# Altium PCB PCB.PcbDoc
Units mm, origin at the board's own origin, x right, y up, seen from the top; angles counter-clockwise.
Board outline 34 x 16 mm, 4 copper layers (Top Layer, Layer 1, Layer 2, Bottom Layer), stack 1.586 mm thick; 33 components, 19 nets, 140 pads, 137 vias.
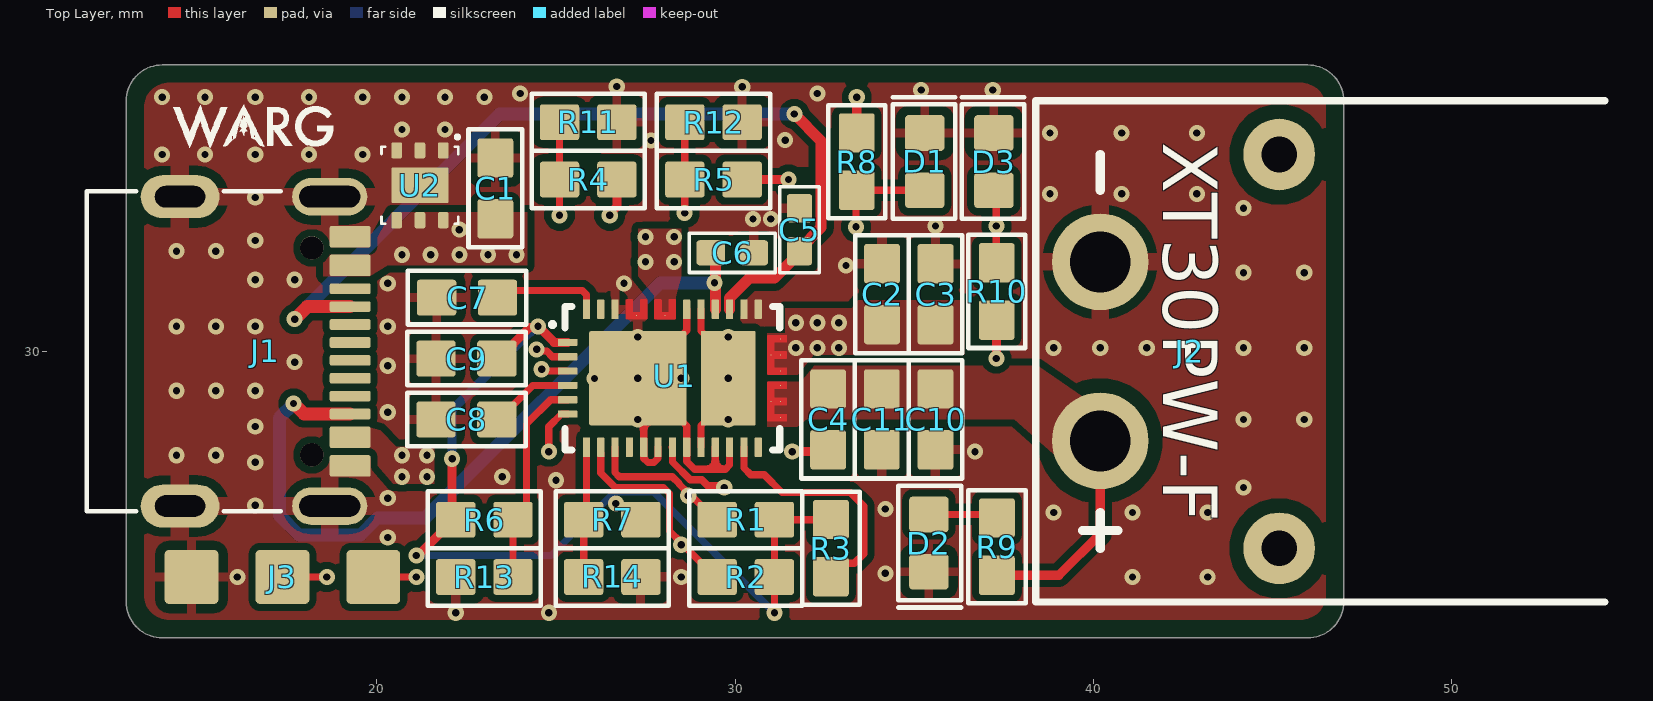
[diagram p0: Top Layer view]
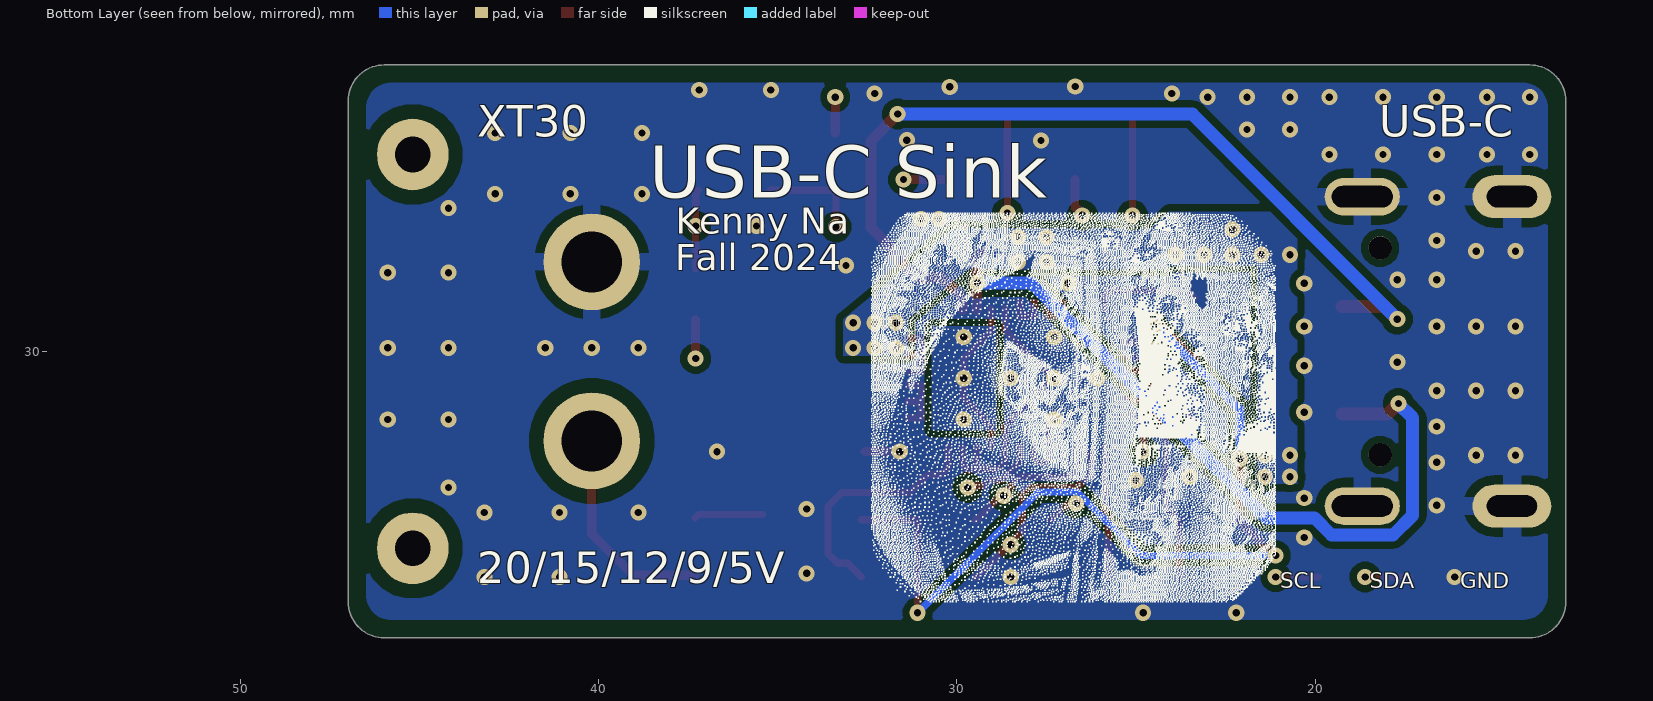
[diagram p1: Bottom Layer view, seen from below]
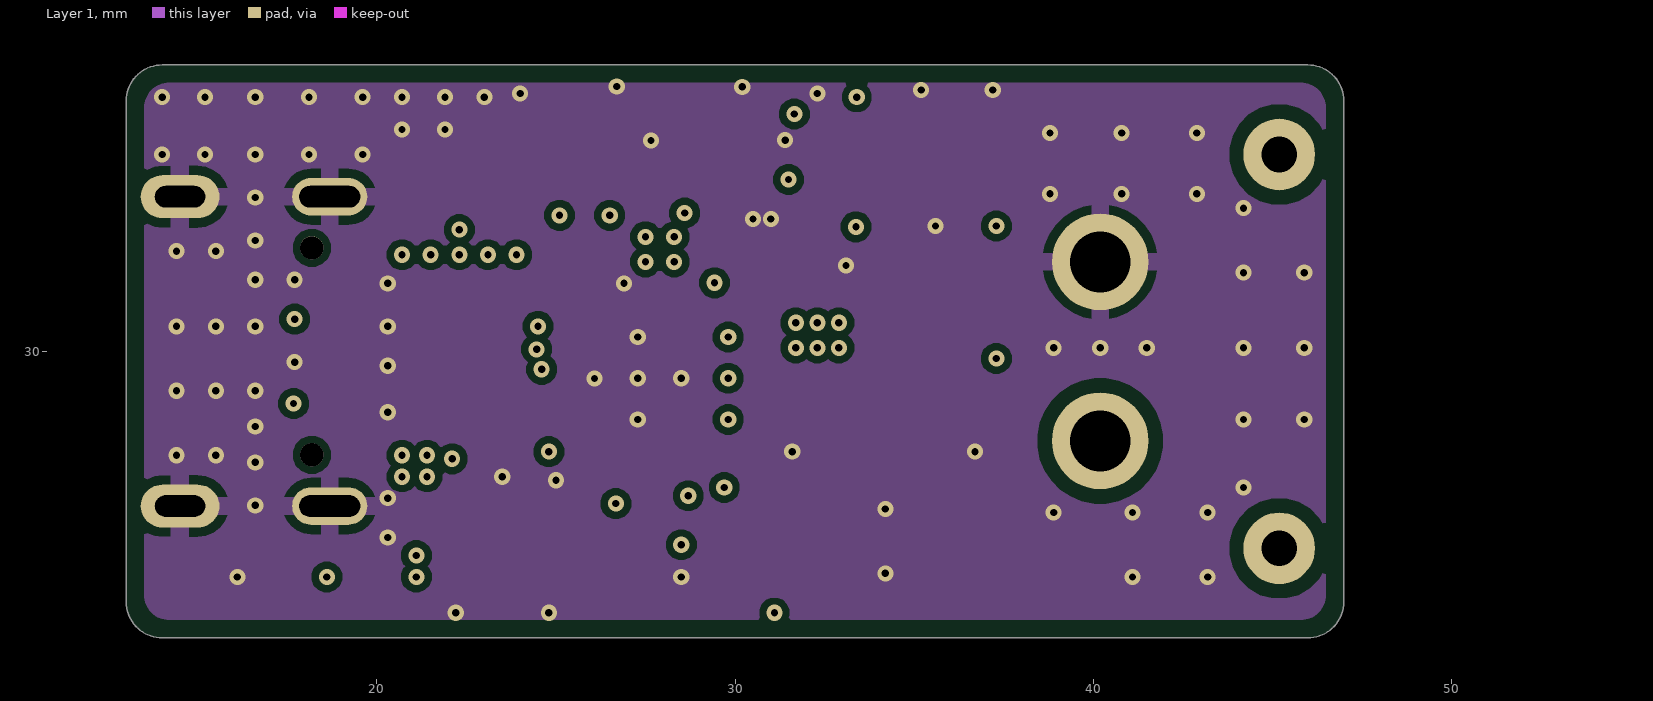
[diagram p2: Layer 1]
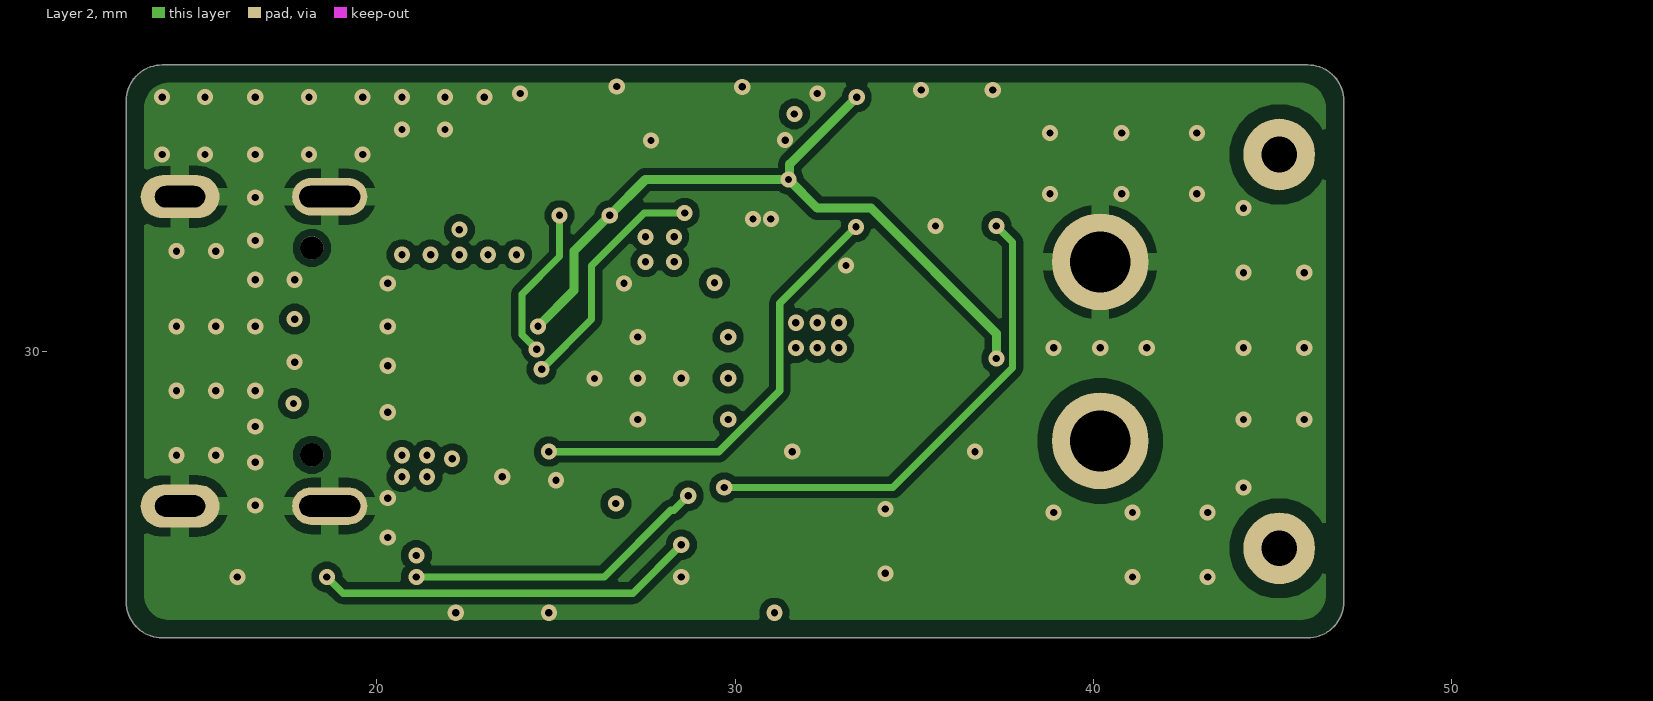
[diagram p3: Layer 2]
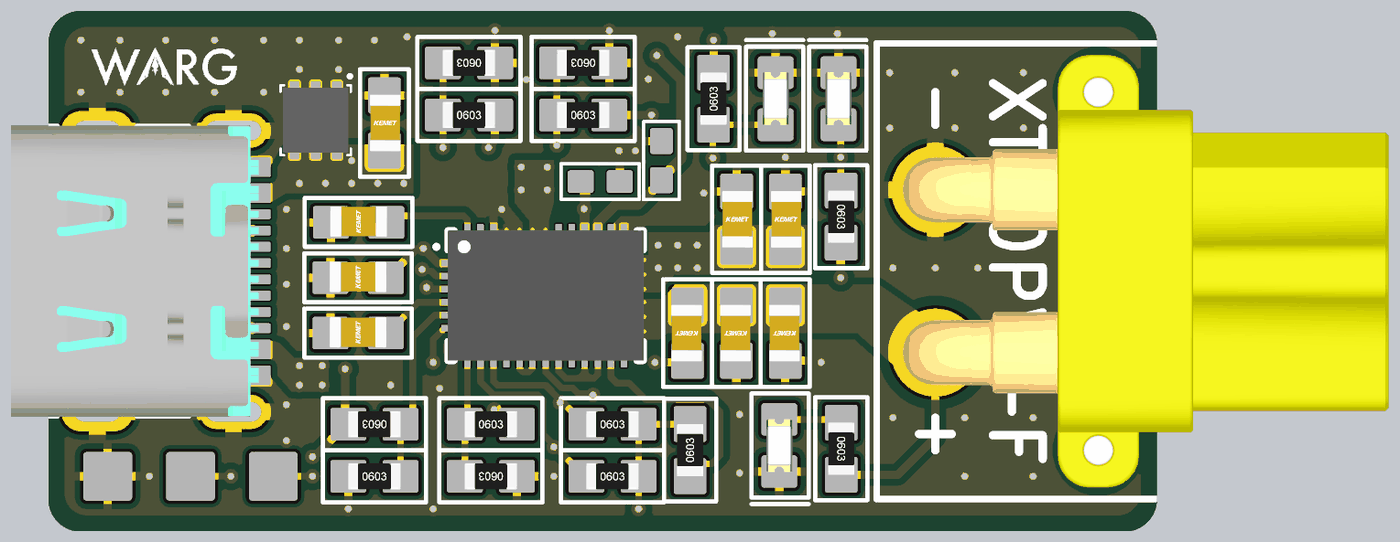
[diagram p4: 3D render of the assembled board from above, using the file's embedded part models]

## Layer stack, top to bottom
Top Solder: solder mask 0.01, Solder Resist, Dk 3.5
Top Layer: signal copper 0.035
Dielectric 2: prepreg 0.2104, PP-023, Dk 4.4
Layer 1: signal copper 0.0152
Dielectric 1: dielectric 1.065, FR-4, Dk 4.6
Layer 2: signal copper 0.0152
Dielectric 3: prepreg 0.2104, PP-023, Dk 4.4
Bottom Layer: signal copper 0.035
Bottom Solder: solder mask 0.01, Solder Resist, Dk 3.5

## Board outline
13,23 13,37 cw(c14,37) 14,38 46,38 cw(c46,37) 47,37 47,23 cw(c46,23) 46,22 14,22 cw(c14,23)

## Design rules (kind name [scope] priority, off if disabled: settings)
BoardOutlineClearance [All] p1: gap=0.2 ignorepadtopadclearanceinfootprint=FALSE except(0.4: Arc-SplitBarrior Arc-SplitContinuation Track-SplitBarrior Track-SplitContinuation SMDPad-SplitBarrior SMDPad-SplitContinuation THPad-SplitBarrior THPad-SplitContinuation Via-SplitBarrior Via-SplitContinuation Fill-SplitBarrior Fill-SplitContinuation Poly-SplitBarrior Poly-SplitContinuation Region-SplitBarrior Region-SplitContinuation Text-SplitBarrior Text-SplitContinuation)
Clearance Clearance_HV [InNetClass('HV') vs Not(InNetClass('HV'))] p1: gap=0.6 ignorepadtopadclearanceinfootprint=FALSE
Clearance [All] p2: gap=0.2 ignorepadtopadclearanceinfootprint=TRUE except(0.089: Arc-Arc Arc-Track Track-Track; 0.1: Arc-SMDPad Arc-THPad Track-SMDPad Track-THPad SMDPad-THPad THPad-THPad; 0.125: Arc-Via Track-Via SMDPad-Via THPad-Via Via-Via; 0.127: SMDPad-SMDPad; 0.15: Arc-Text Track-Text SMDPad-Text THPad-Text Via-Text Fill-Text Poly-Text Region-Text Text-Text; 0.4: THPad-Fill THPad-Poly THPad-Region)
ComponentClearance [All] p1: gap=0.254 collisioncheckmode=3 verticalgap=0.254 showdistances=FALSE donotcheckwithout3dbody=TRUE
DiffPairsRouting DiffPairsRouting_1 [InDifferentialPair('CAN')] p1: maxlimit=0.254 minlimit=0.237 mostfreqgap=0.254 toplayer_maxgap=0.237 toplayer_prefgap=0.237 toplayer_minwidth=0.089 toplayer_maxwidth=0.089 toplayer_prefwidth=0.089 midlayer1_minwidth=0.381 midlayer1_maxwidth=0.381 midlayer1_prefwidth=0.381 midlayer2_minwidth=0.381 midlayer2_maxwidth=0.381 midlayer2_prefwidth=0.381 bottomlayer_maxgap=0.237 bottomlayer_prefgap=0.237 bottomlayer_minwidth=0.089 bottomlayer_maxwidth=0.089 bottomlayer_prefwidth=0.089 impedanceprofiledriven=TRUE impedanceprofileid={EF18872A-B2F7-4500-86CD-FCDFF06575AF} maxuncoupledlength=12.7
DiffPairsRouting [InDifferentialPair('USB')] p2: maxlimit=0.254 minlimit=0.113 mostfreqgap=0.254 toplayer_maxgap=0.113 toplayer_prefgap=0.113 toplayer_minwidth=0.13 toplayer_maxwidth=0.13 toplayer_prefwidth=0.13 midlayer1_minwidth=0.381 midlayer1_maxwidth=0.381 midlayer1_prefwidth=0.381 midlayer2_minwidth=0.381 midlayer2_maxwidth=0.381 midlayer2_prefwidth=0.381 bottomlayer_maxgap=0.113 bottomlayer_prefgap=0.113 bottomlayer_minwidth=0.13 bottomlayer_maxwidth=0.13 bottomlayer_prefwidth=0.13 impedanceprofiledriven=TRUE impedanceprofileid={4109FAFE-7FD6-4448-9D3F-10DBE45E2FE1} maxuncoupledlength=12.7
HoleSize [All] p1: absolutevalues=TRUE maxlimit=6.3 minlimit=0.2 maxpercent=80.000 minpercent=20.000
MinimumAnnularRing [All] p1: minimumring=0.076
MinimumSolderMaskSliver [All] p1: minsoldermaskwidth=0.05
PasteMaskExpansion [All] p1: expansion=0 percent=-40.000000
PlaneConnect PlaneConnect_1 [InNet('GND')] p1: planeconnectstyle=Relief reliefexpansion=0.508 reliefentries=4 reliefconductorwidth=0.254 reliefairgap=0.254
PlaneConnect [All] p2: planeconnectstyle=Direct reliefexpansion=0.508 reliefentries=4 reliefconductorwidth=0.254 reliefairgap=0.254
PolygonConnect [HasFootprint('CONN PLUG 60POS SMD GOLD-CONTROLLER BOARD') or InNet('GND')] p1: thpad.connectstyle=Relief thpad.reliefconductorwidth=0.254 thpad.reliefentries=4 thpad.polygonreliefangle="90 Angle" thpad.airgapwidth=0.254 smdpad.connectstyle=Relief smdpad.reliefconductorwidth=0.254 smdpad.reliefentries=4 smdpad.polygonreliefangle="90 Angle" smdpad.airgapwidth=0.254 via.connectstyle=Direct via.reliefconductorwidth=0.254 via.reliefentries=4 via.polygonreliefangle="90 Angle" via.airgapwidth=0.254
PolygonConnect PolygonConnect_1 [All] p2: connectstyle=Direct reliefconductorwidth=0.508 reliefentries=4 polygonreliefangle="90 Angle" airgapwidth=0.254
RoutingCorners [All] p1: cornerstyle=Round minsetback=2.54 maxsetback=2.54
RoutingVias [All] p1: holewidth=0.3 width=0.5 viastyle="Through Hole" minholewidth=0.2 minwidth=0.41 maxholewidth=1 maxwidth=2
SilkToSilkClearance [All] p1: silktosilkclearance=0.1
SilkToSolderMaskClearance [IsPad] p1: minsilkscreentomaskgap=0.1 clearancetoexposedcopper=TRUE
SolderMaskExpansion ViaSolderMaskExpansion [IsVia] p1: expansion=0.102 istentingtop=TRUE
SolderMaskExpansion [All] p2: expansion=0.102 istentingtop=FALSE
SupplyNets "Schematic Supply Nets_8" [InNet('VOUT')] p1: voltage=0.000
SupplyNets "Schematic Supply Nets_7" [InNet('VIN')] p2: voltage=0.000
SupplyNets "Schematic Supply Nets_2" [InNet('GND')] p3: voltage=0.000
SupplyNets "Schematic Supply Nets_1" [InNet('3V3')] p4: voltage=0.000
Width [All] p1: maxlimit=2.54 minlimit=0.089 preferedwidth=0.127
21 further rules are at their usual default settings.

## Components (designator, comment, footprint, x,y, rotation, side; value= is the part's Value field where it differs from the comment)
C1 "GCM188R71H104KA57D" .CAP_0603-Footprint-1 23.307,34.553 r270 top
C2 "GCM188R71H103KA37D" .CAP_0603-Footprint-1 34.106,31.599 r270 top
C3 "GCM188R71H103KA37D" .CAP_0603-Footprint-1 35.601,31.596 r270 top
C4 "GCM188R71H104KA57D" .CAP_0603-Footprint-1 32.6,28.1 r90 top value=0.1uF
C5 "GRM1555C1H331JA01D" .CAP0402-Footprint-1 31.8,33.4 r270 top
C6 "GRM1555C1H331JA01D" .CAP0402-Footprint-1 29.924,32.754 r180 top
C7 "GRM188R61E106KA73J" .CAP_0603-Footprint-1 22.515,31.501 r0 top value=10uF
C8 "GRM188Z71A475KE15J" .CAP_0603-Footprint-1 22.5,28.1 r0 top value=4.7uF
C9 "GRM188R61E106KA73J" .CAP_0603-Footprint-1 22.5,29.8 r0 top value=10uF
C10 "GRM188R6YA106MA73D" .CAP_0603-Footprint-1 35.6,28.1 r90 top
C11 "GRM188R6YA106MA73D" .CAP_0603-Footprint-1 34.1,28.1 r90 top
D1 "LTST-C191KRKT" .LED_0603-Footprint-1 35.3,35.3 r90 top
D2 "LTST-C191KGKT" .LED_0603-Footprint-1 35.415,24.647 r270 top
D3 "LTST-C194TBKT" .LED_0603-Footprint-1 37.23,35.3 r90 top
J1 "12402012E212A" 12402012E212A-Footprint-1 14.5,30 r270 top
J2 "XT30PW-F" XT30PW-F-Footprint-1 40.2,30 r270 top
J3 "SOLDERPAD_3PIN" SOLDERPAD_3PIN-Footprint-1 17.36,23.7 r270 top
R1 "RC0603FR-074K7L" .RES_0603-Footprint-1 30.3,25.3 r0 top
R2 "RC0603FR-074K7L" .RES_0603-Footprint-1 30.3,23.7 r0 top
R3 "RC0603FR-0710KL" .RES_0603-Footprint-1 32.678,24.506 r90 top value=10k
R4 ".RES_0603" .RES_0603-Footprint-1 25.9,34.8 r0 top value=?
R5 ".RES_0603" .RES_0603-Footprint-1 29.4,34.8 r0 top value=?
R6 ".RES_0603" .RES_0603-Footprint-1 23,25.3 r180 top value=?
R7 ".RES_0603" .RES_0603-Footprint-1 26.572,25.3 r0 top value=?
R8 "RC0603FR-071K5L" .RES_0603-Footprint-1 33.4,35.3 r90 top
R9 "RC0603FR-074K7L" .RES_0603-Footprint-1 37.315,24.547 r270 top
R10 "RC0603FR-071K5L" .RES_0603-Footprint-1 37.309,31.674 r270 top
R11 ".RES_0603" .RES_0603-Footprint-1 25.9,36.4 r180 top value=?
R12 ".RES_0603" .RES_0603-Footprint-1 29.4,36.4 r180 top value=?
R13 ".RES_0603" .RES_0603-Footprint-1 23,23.7 r0 top value=?
R14 ".RES_0603" .RES_0603-Footprint-1 26.572,23.7 r180 top value=?
U1 "TPS25730DREFR" TPS25730DREFR-Footprint-1 28.25,29.25 r0 top
U2 "TVS2200DRVR" TVSxxxx-DRV0006A 21.199,34.639 r270 top

## Footprints (in the part's own frame and the unit in brackets; to place one, negate y for a bottom-side part, rotate by r counter-clockwise, add the part's x,y. Pads: shape width x height; smd on the part's side, far side on the other; paste and mask are expansions set on the pad)
12402012E212A-Footprint-1 [mm]
  oval 1.05x2.1 hole 0.6 slot 1.7 at 90 deg: 1(-4.32,4.18) 2(4.32,4.18)
  oval 1.2x2.2 hole 0.6 slot 1.4 at 90 deg: 3(-4.32,0) 4(4.32,0)
  rrect16% 0.6x1.14 smd mask+0.05: A1-B12(-3.2,4.75) A4-B9(-2.4,4.75) B1-A12(3.2,4.75) B4-A9(2.4,4.75)
  rrect33% 0.3x1.14 smd mask+0.05: A5(-1.25,4.75) A6(-0.25,4.75) A7(0.25,4.75) A8(1.25,4.75) B5(1.75,4.75) B6(0.75,4.75) B7(-0.75,4.75) B8(-1.75,4.75)
  round 0.65 hole 0.65 unplated mask+0: ""(-2.89,3.68) ""(2.89,3.68)
  silkscreen extent -4.47,-2.6 4.47,2.81, body extent -4.47,-2.65 4.47,4.95, height 3.23
.CAP0402-Footprint-1 [mm]
  rrect25% 0.8x0.7 smd mask+0.05: 1(-0.6,0) 2(0.6,0)
  silkscreen extent -1.2,-0.55 1.2,0.55, body extent -0.5,-0.26 0.5,0.26, height 0.57
.CAP_0603-Footprint-1 [mm]
  rrect15% 1.1x1 smd: 1(-0.85,0) 2(0.85,0)
  silkscreen extent -1.65,-0.75 1.65,0.75, body extent -0.87,-0.45 0.87,0.5, height 0.87
.LED_0603-Footprint-1 [mm]
  rrect20% 1x1.1 smd: 1(-0.8,0) 2(0.8,0)
  silkscreen extent -1.6,-0.85 1.8,0.9, body extent -0.81,-0.4 0.81,0.4, height 0.6
.RES_0603-Footprint-1 [mm]
  rrect15% 1.1x1 smd: 1(-0.8,0) 2(0.8,0)
  silkscreen extent -1.58,-0.8 1.58,0.8, body extent -0.8,-0.4 0.8,0.4, height 0.46
SOLDERPAD_3PIN-Footprint-1 [mm]
  rrect15% 1.5x1.5 smd: 1(0,2.54) 2(0,0) 3(0,-2.54)
TPS25730DREFR-Footprint-1 [mm]
  rrect25% 0.55x0.2 smd mask+0.05: 1(-2.925,1) 2(-2.925,0.6) 3(-2.925,0.2) 4(-2.925,-0.2) 5(-2.925,-0.6) 6(-2.925,-1)
  rrect25% 0.2x0.55 smd mask+0.05: 7(-2.4,-1.925) 8(-2,-1.925) 9(-1.6,-1.925) 10(-1.2,-1.925) 11(-0.8,-1.925) 12(-0.4,-1.925) 13(0,-1.925) 14(0.4,-1.925) 15(0.8,-1.925) 16(1.2,-1.925) 17(1.6,-1.925) 18(2,-1.925) 19(2.4,-1.925) 26(2.4,1.925) 27(2,1.925) 28(1.6,1.925) 29(1.2,1.925) 30(0.8,1.925) 31(0.4,1.925) 36(-1.6,1.925) 37(-2,1.925) 38(-2.4,1.925)
  round 0.025 smd mask+0.05: 20(3.025,-1.1) 21(3.025,-0.65) 22(3.025,-0.2) 23(3.025,0.2) 24(3.025,0.65) 25(3.025,1.1) 32(-0.001,2.025) 33(-0.401,2.025) 34(-0.801,2.025) 35(-1.201,2.025) ""(-1.001,1.75) ""(-0.201,1.75) ""(2.75,-0.65) ""(2.75,0.65)
  rrect5% 2.72x2.65 smd paste-2539.97 mask+0.05: 39(-0.965,0)
  rrect5% 1.53x2.65 smd paste-2539.97 mask+0.05: 40(1.56,0)
  rrect8% 1.19x1.17 on Top Paste: ""(-1.657,-0.685) ""(-1.657,0.685) ""(-0.268,0.685) ""(-0.268,-0.685)
  rrect8% 1.4x1.17 on Top Paste: ""(1.56,-0.685) ""(1.56,0.685)
  Top Layer region: 3.175,1 2.85,1 2.85,1.2 3.175,1.2 3.185,1.198 3.193,1.193 3.198,1.185 3.2,1.175 3.2,1.175 3.2,1.025 3.198,1.015 3.193,1.007 3.185,1.002 3.175,1
  Top Layer region: -1.276,1.65 -1.286,1.652 -1.294,1.657 -1.299,1.665 -1.301,1.675 -1.301,1.675 -1.301,1.85 -0.701,1.85 -0.701,1.675 -0.703,1.665 -0.708,1.657 -0.716,1.652 -0.726,1.65 -0.726,1.65
  Top Layer region: 0.099,2.175 0.099,1.85 -0.101,1.85 -0.101,2.175 -0.099,2.185 -0.094,2.193 -0.086,2.198 -0.076,2.2 -0.076,2.2 0.074,2.2 0.084,2.198 0.092,2.193 0.097,2.185 0.099,2.175
  Top Layer region: -0.701,2.175 -0.701,1.85 -0.901,1.85 -0.901,2.175 -0.899,2.185 -0.894,2.193 -0.886,2.198 -0.876,2.2 -0.876,2.2 -0.726,2.2 -0.716,2.198 -0.708,2.193 -0.703,2.185 -0.701,2.175
  Top Layer region: -1.101,2.175 -1.101,1.85 -1.301,1.85 -1.301,2.175 -1.299,2.185 -1.294,2.193 -1.286,2.198 -1.276,2.2 -1.276,2.2 -1.126,2.2 -1.116,2.198 -1.108,2.193 -1.103,2.185 -1.101,2.175
  Top Layer region: -0.476,1.65 -0.486,1.652 -0.494,1.657 -0.499,1.665 -0.501,1.675 -0.501,1.675 -0.501,1.85 0.099,1.85 0.099,1.675 0.097,1.665 0.092,1.657 0.084,1.652 0.074,1.65 0.074,1.65
  Top Layer region: -0.301,2.175 -0.301,1.85 -0.501,1.85 -0.501,2.175 -0.499,2.185 -0.494,2.193 -0.486,2.198 -0.476,2.2 -0.476,2.2 -0.326,2.2 -0.316,2.198 -0.308,2.193 -0.303,2.185 -0.301,2.175
  Top Layer region: 3.175,0.1 2.85,0.1 2.85,0.3 3.175,0.3 3.185,0.298 3.193,0.293 3.198,0.285 3.2,0.275 3.2,0.275 3.2,0.125 3.198,0.115 3.193,0.107 3.185,0.102 3.175,0.1
  Top Layer region: 3.175,0.55 2.85,0.55 2.85,0.75 3.175,0.75 3.185,0.748 3.193,0.743 3.198,0.735 3.2,0.725 3.2,0.725 3.2,0.575 3.198,0.565 3.193,0.557 3.185,0.552 3.175,0.55
  Top Layer region: 2.85,1.2 2.85,0.1 2.675,0.1 2.665,0.102 2.657,0.107 2.652,0.115 2.65,0.125 2.65,0.125 2.65,1.175 2.652,1.185 2.657,1.193 2.665,1.198 2.675,1.2 2.675,1.2
  Top Layer region: 3.175,-0.3 2.85,-0.3 2.85,-0.1 3.175,-0.1 3.185,-0.102 3.193,-0.107 3.198,-0.115 3.2,-0.125 3.2,-0.125 3.2,-0.275 3.198,-0.285 3.193,-0.293 3.185,-0.298 3.175,-0.3
  Top Layer region: 3.175,-1.2 2.85,-1.2 2.85,-1 3.175,-1 3.185,-1.002 3.193,-1.007 3.198,-1.015 3.2,-1.025 3.2,-1.025 3.2,-1.175 3.198,-1.185 3.193,-1.193 3.185,-1.198 3.175,-1.2
  Top Layer region: 3.175,-0.75 2.85,-0.75 2.85,-0.55 3.175,-0.55 3.185,-0.552 3.193,-0.557 3.198,-0.565 3.2,-0.575 3.2,-0.575 3.2,-0.725 3.198,-0.735 3.193,-0.743 3.185,-0.748 3.175,-0.75
  Top Layer region: 2.85,-0.1 2.85,-1.2 2.675,-1.2 2.665,-1.198 2.657,-1.193 2.652,-1.185 2.65,-1.175 2.65,-1.175 2.65,-0.125 2.652,-0.115 2.657,-0.107 2.665,-0.102 2.675,-0.1 2.675,-0.1
  silkscreen extent -3.4,-2 3,2, body extent -3,-2 3,2, height 0.8
TVSxxxx-DRV0006A [mm]
  rrect33% 0.45x0.3 smd mask+0.05: 1(-0.975,0.65) 2(-0.975,0) 3(-0.975,-0.65) 4(0.975,-0.65) 5(0.975,0) 6(0.975,0.65)
  rrect10% 1x1.6 smd paste-2539.97 mask+0.05: 7(0,0)
  rrect14% 1x0.7 on Top Paste: ""(0,0.45) ""(0,-0.45)
  silkscreen extent -1.4,-1.07 1.07,1.1, body extent -1,-1 1,1, height 0.8
XT30PW-F-Footprint-1 [mm]
  round 2.7 hole 1.7: 1(2.5,0) 2(-2.5,0)
  round 2 hole 1: MH1(5.5,5) MH2(-5.5,5)
  silkscreen extent -7,-1.8 7,14.1, body extent -6.65,-1 6.65,13.9, height 4.91

## Part data
C1: library part CMP-00047-3, "CAP CER 0.1uF 50V X7R 0603", Capacitance=100nF, Case Code (Imperial)=0603, Dielectric=X7R, Tolerance=10%, Voltage=50V, Mount="Surface Mount"
C2 C3: library part CMP-00050-3, "CAP CER 0.01UF 50V X7R 0603", Capacitance=10nF, Dielectric=X7R, Package=0603, Voltage=50V
C4: library part CMP-00047-4, "CAP CER 0.1uF 50V X7R 0603", Capacitance=100nF, Case Code (Imperial)=0603, Dielectric=X7R, Tolerance=10%, Voltage=50V, Mount="Surface Mount"
C5 C6: library part CMP-00418-3, "CAP CER 330PF 50V C0G/NP0 0402", Capacitance=330pF, Package=0402, Temperature Coefficient=C0G/NP0, Tolerance=±5%, Voltage=50V
C7 C9: library part CMP-00056-4, "CAP CER 10UF 25V X5R 0603", Case/Package=0603, Temperature Coefficient=X5R, Voltage Rating=25V
C8: library part CMP-001-00045-2, "CAP CER 4.7UF 10V X7R 0603", Capacitance=4.7uF, Package=0603, Temperature Coefficient=X7R, Voltage=10V
C10 C11: library part CMP-00449-4, "CAP CER 10UF 35V X5R 0603", Capacitance=10uF, Temperature Coefficient=X5R, Tolerance=±20%, Voltage=35V
D1: library part CMP-004-00004-5, "LED RED 2V 0603", Case/Package=0603, Color=Red, Forward Current=30mA, Forward Voltage=2V, Luminous Intensity=54mcd, Mount="Surface Mount"
D2: library part CMP-001-00018-6, "LED GREEN 2V 0603", Case/Package=0603, Color=Green, Forward Current=20mA, Forward Voltage=2V
D3: library part CMP-00017-4, "LED BLUE CLEAR 0603 SMD", Color=Blue, Forward Current=20mA, Forward Voltage=2.8V, Package=0603, Wavelength=473nm
J1: library part CMP-00415-1, "CONN RCP USB2.0 TYP C 24P SMD RA", Current Rating=5A, Voltage Rating=20V, # of Contacts="24 (16+8 Dummy)", Gender=Receptacle, Mating Cycles=10000, Specification="USB 2.0"
J2: library part CMP-00228-1, "Board Mount XT30PW-F 2 Pin Female Connector"
J3: library part CMP-00292-3, "Solder Pad 3 Pin, 2.54mm pitch", Mount=SMD, Pins=3, Pitch=2.54mm, Type="Solder Pads"
R1 R2 R9: library part CMP-00344-1, "RES 4.7K OHM 1% 1/10W 0603", Package=0603, Power=1/10W, Resistance=4.7k, Tolerance=1%
R3: library part CMP-009-00006-5, "RES 10K OHM 1% 1/10W 0603", Package=0603, Power=1/10W, Resistance=10k, Tolerance=1%
R4 R5 R6 R7 R11 R12 R13 R14: library part CMP-009-00000-5, "GENERIC 0603 RES", Package=0603, Power=?, Resistance=?, Tolerance=?
R8 R10: library part CMP-009-00072-2, "RES 1.5K OHM 1% 1/10W 0603", Package=0603, Power=1/10W, Resistance=1.5k, Tolerance=1%
U1: library part CMP-00413-7, "USB-C PD CONTROLLER PMIC 38-WQFN (4x6)", Package="38-WQFN (4x6)", Voltage=5-20V, Device Type=Sink
U2: library part CMP-00416-4, "UNIDIR PRECISION SURGE DIODE", Breakdown Voltage (Typical)=25.9V, Junction Capacitance @1MHz=105pF, Reverse Standoff Voltage=22V

## Via types
v1: diameter 0.45, hole 0.203, Top Layer to Bottom Layer, tented both sides, 137 vias

## Nets (pads, with @x,y where several pads share a name; then routed paths per layer and width w, separated by ;. In a path a pad name is that pad's centre, name@x,y a point inside that pad or via, vN(x,y) a via of type N, cw(c..) or ccw(c..) an arc to the next point about the centre after c; other vN are vias at no path point)
3V3: C9.2 R1.2 R2.2 R3.2 R4.2 R5.2 R6.2 R7.2 R8.2 R10.2 U1.1 | length 53
  Top Layer w0.203: v1(26.672,25.749) 26.738,25.749 26.789,25.698 26.974,25.698 R7.2 ; v1(31.1,22.7) R1.2 32.672,25.3 R3.2
  Top Layer w0.254: v1(21.1,24.299) 21.13,24.328 21.178,24.328 22.1,25.25 v1(22.1,27) ; C9.2 23.4,29.8 24.271,30.671 24.471,30.671 v1(24.5,30.7) 24.95,30.25 U1.1 ; v1(26.5,33.8) 26.5,33.839 26.7,34.039 R4.2 ; R5.2 v1(31.497,34.8) ; R8.2 v1(33.4,37.1) ; v1(37.3,29.8) R10.2@37.3,30.874
  Layer 2 w0.254: v1(24.5,30.7) 25.5,31.7 25.5,32.8 v1(26.5,33.8) 27.5,34.8 v1(31.497,34.8) ; v1(33.4,37.1) 31.526,35.226 31.526,34.829 v1(31.497,34.8) ; v1(37.3,29.8) 37.3,30.5 33.8,34 32.297,34 v1(31.497,34.8)
  Bottom Layer w0.203: v1(21.1,24.299) 24.863,24.299 26.521,25.957 ; v1(26.672,25.749) 26.672,25.807 26.521,25.957 ; v1(31.1,22.7) 27.73,26.07 26.634,26.07 26.521,25.957
  Bottom Layer w0.254: v1(22.1,27) 22.1,28.373 24.262,30.535 24.281,30.535 24.447,30.7 v1(24.5,30.7)
3V3_IN: C7.2 U1.38 | length 3
  Top Layer w0.203: C7.2 23.565,31.7 25.731,31.7 25.85,31.581 U1.38
ADC1: R4.1 R11.2 U1.2 | length 7.9
  Top Layer w0.203: v1(24.459,30.058) 24.507,30.01 24.741,30.01 24.899,29.852 25.323,29.852 U1.2 ; v1(25.1,33.8) R4.1 R11.2
  Layer 2 w0.203: v1(24.459,30.058) 24.048,30.468 24.048,31.597 25.1,32.649 v1(25.1,33.8)
ADC2: R5.1 R12.2 U1.3 | length 10
  Top Layer w0.203: v1(24.6,29.5) 24.667,29.5 24.717,29.45 U1.3 ; v1(28.593,33.864) 28.593,36.393 R12.2
  Layer 2 w0.203: v1(24.6,29.5) 25.994,30.894 25.994,32.394 27.464,33.864 v1(28.593,33.864)
ADC3: R6.1 R13.2 U1.5 | length 5.9
  Top Layer w0.203: R13.2 R6.1 24.173,25.673 24.173,27.973 24.85,28.65 U1.5
ADC4: R7.1 R14.2 U1.7 | length 3.7
  Top Layer w0.203: R14.2 R7.1 25.85,25.378 U1.7
CC1: C5.2 J1.A5 U1.28 | length 25.3
  Top Layer w0.31: U1.28 29.85,31.496 30.402,32.048 31.098,32.048 31.8,32.75 C5.2 31.8,32.85 32.405,33.455 32.405,35.882 v1(31.658,36.628)
  Top Layer w0.364: v1(17.7,30.9) 18.05,31.25 J1.A5
  Bottom Layer w0.362: v1(17.7,30.9) 23.428,36.628 v1(31.658,36.628)
CC2: C6.2 J1.B5 U1.29 | length 21.9
  Top Layer w0.31: C6.2 29.459,32.619 29.459,31.973 29.434,31.948 v1@29.434,31.916 ; U1.29 29.45,31.868 29.447,31.872 29.447,31.891 v1@29.45,31.894
  Top Layer w0.364: v1@17.673,28.544 17.967,28.25 J1.B5
  Bottom Layer w0.362: v1(17.672,28.542) 17.273,28.144 17.273,25.422 17.821,24.874 19.539,24.874 20.014,25.35 21.35,25.35 27.912,31.912 29.424,31.912 v1(29.428,31.916)
DRAIN: U1.15 U1.30 U1.40 | length 4.5
  Top Layer w0.2: U1.15 29.05,27.93 29.81,28.69 v1(29.81,29.25) 29.81,29.81 29.05,30.57 U1.30
  other v1: 29.81,28.1 29.81,30.4
FLIP_LED: D3.1 R10.1 U1.13 | length 18
  Top Layer w0.203: U1.13 28.252,27.323 28.252,26.912 28.747,26.417 29.069,26.417 29.239,26.247 29.653,26.247 v1(29.7,26.2) ; D3.1 37.3,34.43 R10.1@37.3,32.3
  Layer 2 w0.203: v1(29.7,26.2) 34.408,26.2 37.751,29.544 37.751,33.048 v1(37.3,33.5)
GND: C1.1 C2.1 C3.1 C4.1 C5.1 C6.1 C7.1 C8.1 C9.1 C10.1 C11.1 D1.2 D2.2 D3.2 J1.1 J1.2 J1.3 J1.4 J1.A1-B12 J1.B1-A12 J2.2 J3.3 R11.1 R12.1 R13.1 R14.1 U1.11 U1.12 U1.14 U1.16 U1.17 U1.26 U1.27 U1.31 U1.34 U1.35 U1.36 U1.39 U1.@27.249,31 U2.1 U2.2 U2.3 U2.7 | length 10.8
  Top Layer w0.2: v1(27.285,28.1) 27.375,28.1 27.45,28.025 U1.11 27.45,27.017 27.567,26.9 27.733,26.9 27.85,27.017 U1.12 ; v1(27.285,29.25) U1.39@27.32,29.25 ; U1.31 28.65,30.58 U1.39@27.32,29.25 ; U1.16 29.45,26.707 ; U1.17 29.85,26.824 29.733,26.707 29.45,26.707 ; U1.39@27.32,29.25 28.65,27.92 28.65,27.106 28.65,26.924 28.867,26.707 29.45,26.707
  Top Layer w0.254: v1(31.6,27.2) C4.1@32.568,27.2
  other v1: 22.2,22.7 24.8,22.7 16.1,23.7 28.5,23.7 41.1,23.7 43.2,23.7 34.2,23.8 20.3,24.8 38.9,25.5 41.1,25.5 43.2,25.5 34.2,25.6 16.6,25.7 20.3,25.9 44.2,26.2 25,26.4 23.5,26.5 16.6,26.9 14.4,27.1 15.5,27.1 36.7,27.2 16.6,27.9 44.2,28.1 45.9,28.1 20.3,28.3 14.4,28.9 15.5,28.9 16.6,28.9 26.076,29.244 28.5,29.25 20.3,29.6 17.7,29.7 38.9,30.1 40.2,30.1 41.5,30.1 44.2,30.1 45.9,30.1 27.285,30.4 14.4,30.7 15.5,30.7 16.6,30.7 20.3,30.7 20.3,31.9 26.9,31.9 16.6,32 17.7,32 44.2,32.2 45.9,32.2 33.1,32.4 14.4,32.8 15.5,32.8 16.6,33.1 35.6,33.5 30.5,33.7 31,33.7 44.2,34 16.6,34.3 38.8,34.4 40.8,34.4 42.9,34.4 14,35.5 15.2,35.5 16.6,35.5 18.1,35.5 19.6,35.5 27.656,35.89 31.4,35.9 38.8,36.1 40.8,36.1 42.9,36.1 20.7,36.2 21.9,36.2 14,37.1 15.2,37.1 16.6,37.1 18.1,37.1 19.6,37.1 20.7,37.1 21.9,37.1 23,37.1 24,37.2 32.3,37.2 35.2,37.3 37.2,37.3 26.697,37.396 30.203,37.388
LDO_1V5: C8.2 U1.4 | length 2.4
  Top Layer w0.203: C8.2 23.4,28.1 24.348,29.048 25.104,29.048 25.323,29.048 U1.4
NEG_FAIL: D1.1 R8.1 U1.6 | length 16.8
  Top Layer w0.203: v1(24.8,27.2) 24.8,27.897 25.153,28.25 U1.6 ; v1(33.378,33.478) 33.378,34.478 R8.1 D1.1@35.2,34.5
  Layer 2 w0.203: v1(24.8,27.2) 29.549,27.2 31.248,28.9 31.248,31.348 v1(33.378,33.478)
nFAULT_IN: R3.1 U1.18 | length 6.9
  Top Layer w0.203: U1.18 30.25,26.745 30.437,26.558 30.814,26.558 31.315,26.057 33.217,26.057 33.6,25.675 33.6,24.348 33.333,24.081 33.053,24.081 R3.1
PWR_EN: D2.1 R9.1 | length 1.9
  Top Layer w0.203: D2.1 37.215,25.447 R9.1
SCL: J3.1 R1.1 U1.9 | length 13.9
  Top Layer w0.203: J3.1 v1(21.1,23.7) ; U1.9 26.65,26.619 26.769,26.5 28.25,26.5 28.435,26.315 28.435,26.294 28.693,26.035 v1(28.693,25.968) ; v1@28.728,26.022 29.45,25.3 R1.1
  Layer 2 w0.203: v1(21.1,23.7) 26.344,23.7 28.207,25.562 28.287,25.562 v1(28.693,25.968)
SDA: J3.2 R2.1 U1.8 | length 17.5
  Top Layer w0.203: J3.2 v1(18.6,23.7) ; U1.8@26.252,27.151 26.252,26.605 26.656,26.2 28,26.2 28.17,26.03 28.17,24.985 28.5,24.655 v1(28.5,24.6) 28.55,24.6 29.45,23.7 R2.1
  Layer 2 w0.203: v1(18.6,23.7) 19.052,23.249 27.149,23.249 v1(28.5,24.6)
VIN: C1.2 C2.2 C3.2 J1.A4-B9 J1.B4-A9 U1.23 U1.24 U1.25 U1.32 U1.33 U1.@28.049,31 U1.@31,29.9 U2.4 U2.5 U2.6
  other v1: 20.7,26.5 21.4,26.5 20.7,27.1 21.4,27.1 31.7,30.1 32.3,30.1 32.9,30.1 31.7,30.8 32.3,30.8 32.9,30.8 27.5,32.5 28.3,32.5 20.7,32.7 21.5,32.7 22.3,32.7 23.1,32.7 23.9,32.7 27.5,33.2 28.3,33.2 22.3,33.4
VOUT: C4.2 C10.2 C11.2 J2.1 R9.2 U1.20 U1.21 U1.22 U1.@31,28.6 | length 6
  Top Layer w0.254: R9.2 39.047,23.747 40.2,24.9 J2.1
pads on no net: J1. J1.A6 J1.A7 J1.A8 J1.B6 J1.B7 J1.B8 J2.MH1 J2.MH2 U1.10 U1.19 U1.37 U1.@26.593,28.565 U1.@26.593,29.935 U1.@27.982,29.935 U1.@27.983,28.565 U1.@29.81,28.565 U1.@29.81,29.935 U2.

## Polygon pours and split planes (outlines as drawn)
VIN on Bottom Layer "VIN_L04_P021" (solid, pour order 21): 20.5,33.9 20.5,26.3 21.6,26.3 21.6,32.394 24.093,32.394 24.187,32.3 29.7,32.3 31.372,30.9 31.372,29.877 33.177,29.877 33.177,30.9 30.1,33.442 24.558,33.442 24.1,33.9
GND on Bottom Layer "GND_L04_P031" (solid, pour order 31): 13.5,23.2 13.5,36.8 cw(c14.2,36.8) 14.2,37.5 45.8,37.5 cw(c45.8,36.8) 46.5,36.8 46.5,23.2 cw(c45.8,23.2) 45.8,22.5 14.2,22.5 cw(c14.2,23.2)
DRAIN on Bottom Layer "DRAIN_L04_P022" (solid, pour order 22): 28.9,30.7 30.7,30.7 30.7,27.8 28.9,27.8
GND on Layer 1 "GND_L02_P032" (solid, pour order 32): 13.5,23.2 13.5,36.8 cw(c14.2,36.8) 14.2,37.5 45.8,37.5 cw(c45.8,36.8) 46.5,36.8 46.5,23.2 cw(c45.8,23.2) 45.8,22.5 14.2,22.5 cw(c14.2,23.2)
VIN on Top Layer "Top Layer-VIN 1" (solid, pour order 23): 24.2,32.4 24.2,33.891 20.418,33.891 19.8,32.8 18.5,32.8 18.5,32.1 19.8,32.1 20.3,32.4
VIN on Top Layer "VIN_L01_P024" (solid, pour order 24): 30.9,30.5 30.9,29.351 31.751,29.351 32.2,29.9 36.4,29.9 36.4,31.424 33.446,31.424 33.263,31.2 31.4,31.2 31.4,30.5
VIN on Top Layer "VIN_L01_P025" (solid, pour order 25): 19.7,27.905 19.7,27.8 18.7,27.8 18.7,27.3 19.6,27.3 20.456,26.3 21.6,26.3 21.6,27.34 20.542,27.34 20.097,27.8
VIN on Top Layer "Top Layer-VIN" (solid, pour order 26): 27.3,32.1 27.3,33.42 28.5,33.42 28.5,32.1 28.347,31.529 28.347,30.895 27.75,30.895 27.741,31.559
VOUT on Top Layer "VOUT_L01_P028" (solid, pour order 28): 30.9,29.201 31.574,29.201 32.045,29.6 38.462,29.6 40.2,28.4 41.1,28.4 41.1,26.6 39.5,26.6 37.8,28.1 32,28.1 31.739,27.9 30.9,27.9
GND on Top Layer "GND_L01_P029" (solid, pour order 29): 13.497,23.202 13.497,36.802 cw(c14.197,36.802) 14.197,37.502 45.797,37.502 cw(c45.797,36.802) 46.497,36.802 46.497,23.202 cw(c45.797,23.202) 45.797,22.502 14.197,22.502 cw(c14.197,23.202)
GND on Layer 2 "GND_L03_P027" (solid, pour order 27): 13.5,23.2 13.5,36.8 cw(c14.2,36.8) 14.2,37.5 45.8,37.5 cw(c45.8,36.8) 46.5,36.8 46.5,23.2 cw(c45.8,23.2) 45.8,22.5 14.2,22.5 cw(c14.2,23.2)

## Other copper
Top Layer:
  pour cut-out: 32.016,34.702 31.937,34.781 31.922,34.781 31.922,34.976 31.738,35.16 31.739,35.161 32.063,35.161 32.063,34.729 32.043,34.709
  pour cut-out: 25.408,35.695 25.552,35.839 25.915,35.839 26.089,35.665 26.097,35.665 26.097,35.634 26.225,35.505 25.977,35.257 25.849,35.257 25.601,35.505 25.408,35.505

## Silkscreen, mask and mechanical layers (free items; w line width, h text height)
Top Overlay:
  drawing of 5 lines, arcs and shapes, not listed
Bottom Overlay:
  drawing of 13202 lines, arcs and shapes, not listed
  text "USB-C" at 18.2,35.7 h1.5
  text "XT30" at 43.4,35.7 h1.5
  text "USB-C Sink" at 38.6,33.8 h2.5
  text "Kenny Na" at 37.853,33.03 h1.25
  text "Fall 2024" at 37.874,32.012 h1.25
  text "GND" at 15.95,23.225 h0.75
  text "SDA" at 18.475,23.225 h0.75
  text "SCL" at 20.975,23.225 h0.75
  text "20/15/12/9/5V" at 43.4,23.225 h1.5
M1 Board Outline:
  the board outline again, w0.2